# KiCad board fabiTEM_0-5.kicad_pcb
title: fabiTEM split keyboard; date: 2024-05-19; rev: 0.5; note: Made by GEIST & fabi
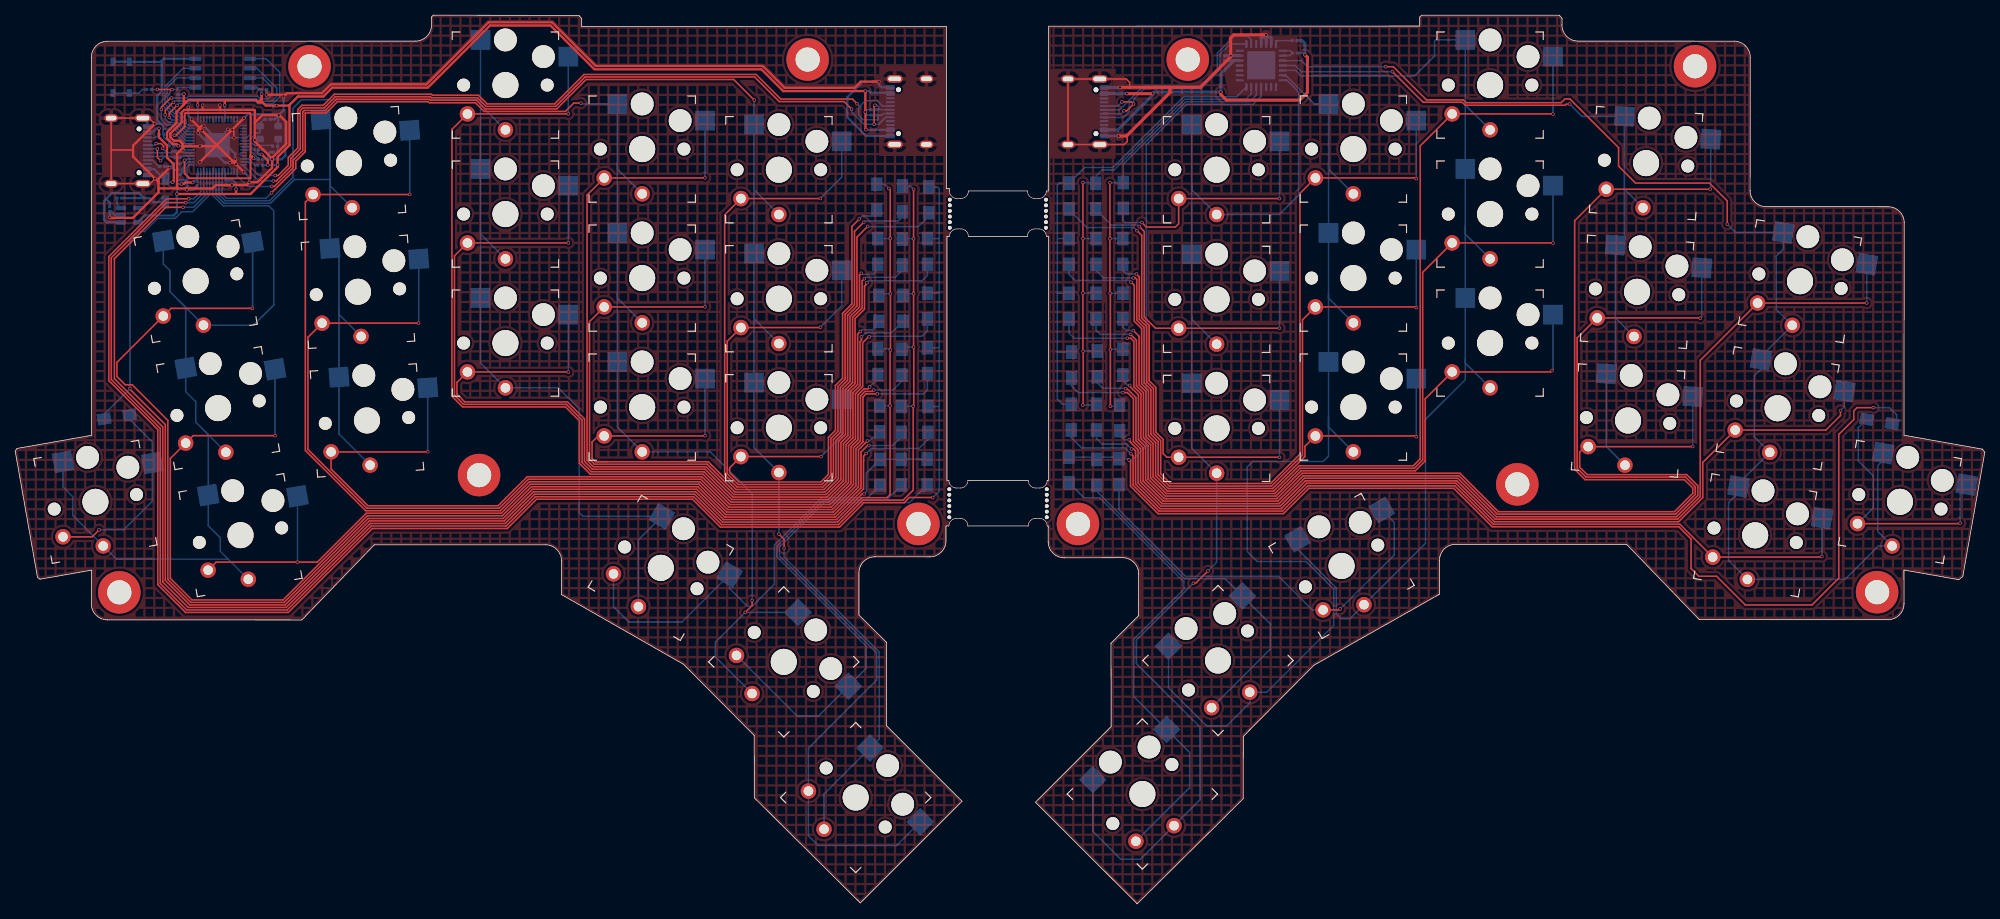
[diagram p0: board, top side]
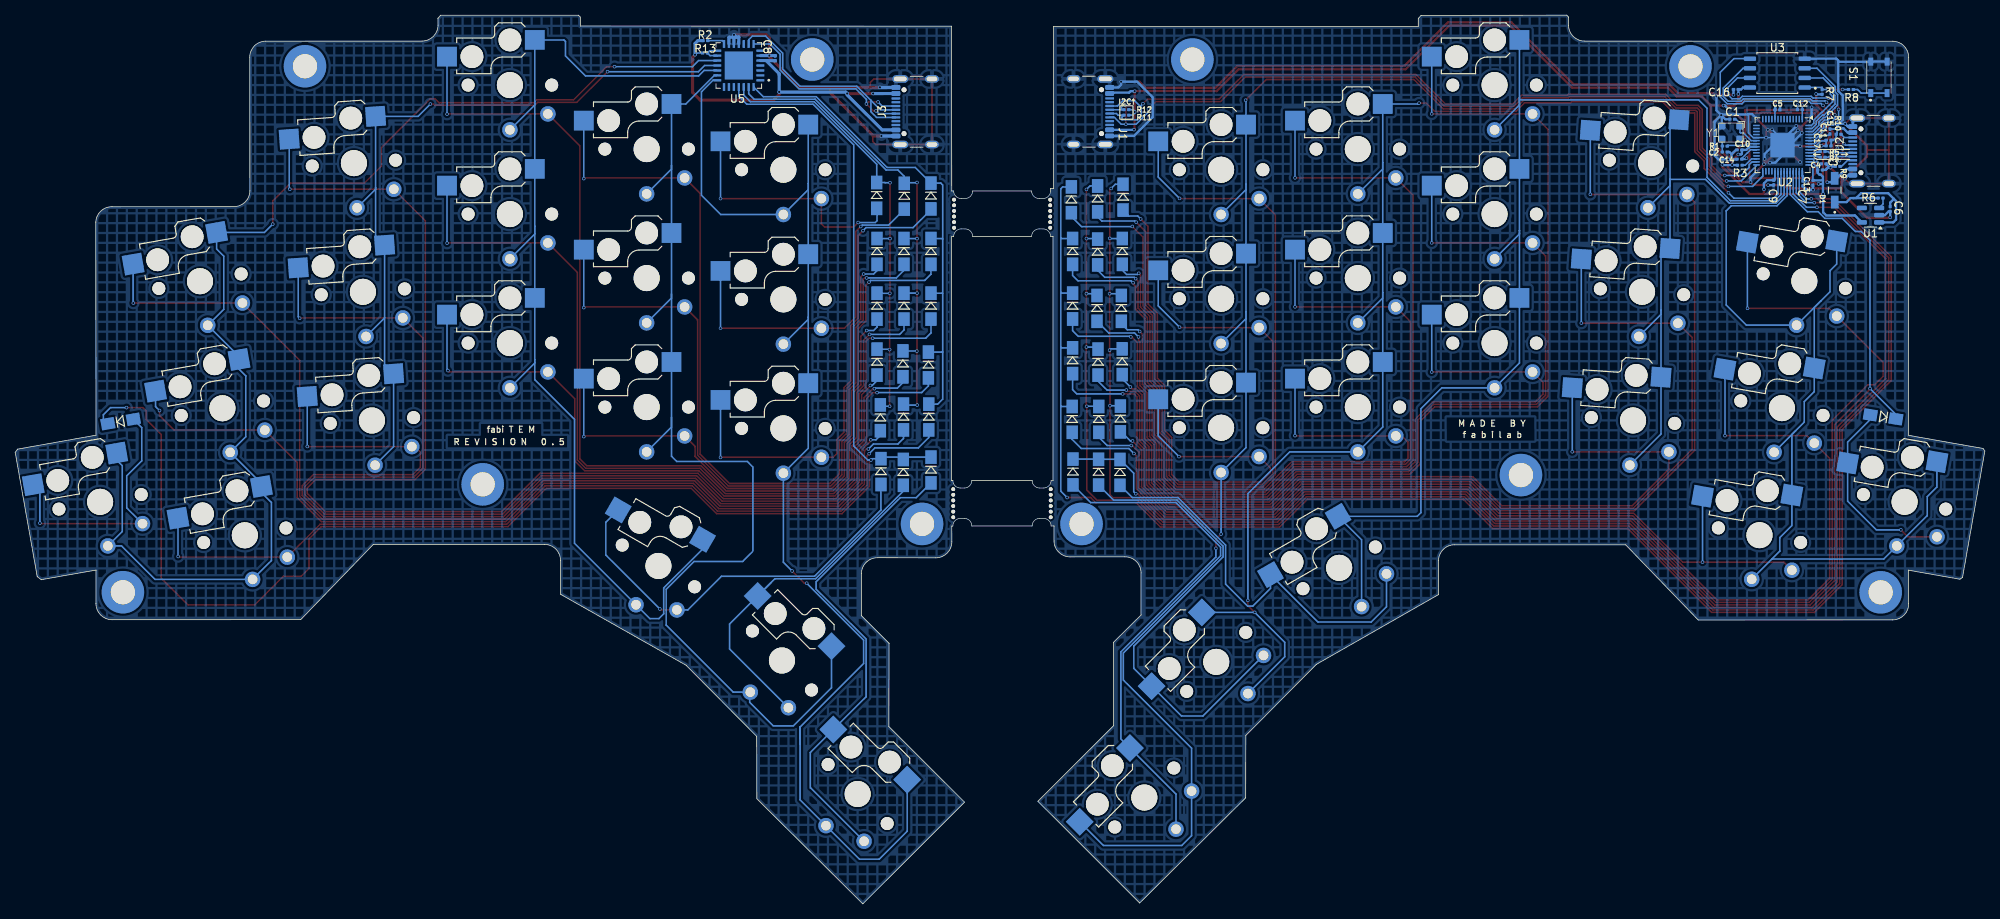
[diagram p1: board, bottom side, seen from below]

Outline 259.29 x 117.11 mm; copper layers: Top, Bottom. Coordinates in mm from the lower left corner of the outline.
Outline path: 122.98,87.95 122.66,87.95 122.66,55.8 122.92,55.8 ; 122.92,49.8 122.53,49.8 122.53,47.83 arc(121.92,46.34) 120.42,45.72 113.19,45.73 arc(111.69,45.12) 111.08,43.62 111.08,38.06 114.71,34.46 114.68,23.48 124.66,13.51 111.25,0.11 97.3,13.96 97.28,22.19 87.99,31.56 71.91,40.75 71.92,45.21 arc(71.3,46.7) 69.81,47.32 47.27,47.31 37.72,37.4 12.14,37.42 arc(10.65,38.04) 10.03,39.53 10.04,43.97 3.28,42.78 2.94,43.02 0,59.67 0.23,60.01 10.03,61.74 10.03,111.57 arc(10.64,113.06) 12.13,113.67 52.69,113.7 arc(54.18,114.31) 54.8,115.8 54.79,116.85 55.03,117.11 74.21,117.08 74.58,116.68 74.58,115.61 122.58,115.63 122.58,94.27 122.99,94.27 122.98,93.95 ; 125.48,87.95 133.24,87.95 ; 125.48,93.95 133.24,93.95 ; 133.35,49.8 125.42,49.8 ; 133.35,55.8 125.42,55.8 ; 135.74,87.95 136.02,87.92 136.02,55.79 135.85,55.8 ; 135.74,93.95 135.99,93.94 136.05,115.66 184.89,115.68 184.9,116.87 185.13,117.11 203.28,117.11 203.64,116.7 203.63,115.8 arc(204.24,114.31) 205.74,113.7 226.3,113.69 arc(227.79,113.07) 228.41,111.58 228.39,93.98 arc(229.01,92.49) 230.5,91.88 246.57,91.87 arc(248.06,91.25) 248.68,89.76 248.65,61.75 258.98,59.92 259.29,59.5 256.39,43.13 255.86,42.72 248.65,43.98 248.65,39.55 arc(248.03,38.06) 246.54,37.44 221.69,37.45 212.14,47.36 189.61,47.37 arc(188.12,46.75) 187.5,45.26 187.51,40.81 170.97,31.45 161.67,22.07 161.66,13.85 147.7,0 134.3,13.4 144.27,23.37 144.25,34.34 147.88,37.98 147.89,43.51 arc(147.27,45) 145.78,45.61 138.09,45.6 arc(136.6,46.22) 135.99,47.71 135.99,49.77 135.85,49.8
Stack: Top 0.035mm / dielectric 1.51mm FR4 er 4.5 / Bottom 0.035mm

## Placement (name value [footprint] x y rotation side)
C1  15 pF  [C_0201_0603Metric]  33.25 103.4 0 bottom
C2  15 pF  [C_0201_0603Metric]  34.24 99.08 180 bottom
C3  1 uF  [C_0201_0603Metric]  21.22 97.53 0 bottom
C4  1 uF  [C_0201_0603Metric]  21.69 96.72 0 bottom
C5  1 uF  [C_0201_0603Metric]  27.31 104.63 180 bottom
C6  1 uF  [C_0201_0603Metric]  12.46 91.57 270 bottom
C7  0.1 uF  [C_0201_0603Metric]  23.95 94.94 270 bottom
C8  0.1 uF  [C_0201_0603Metric]  159.23 111.44 90 bottom
C9  0.1 uF  [C_0201_0603Metric]  27.78 95.06 270 bottom
C10  0.1 uF  [C_0201_0603Metric]  32.3 99.36 0 bottom
C11  0.1 uF  [C_0201_0603Metric]  20.57 100.64 180 bottom
C12  0.1 uF  [C_0201_0603Metric]  24.35 104.66 0 bottom
C13  0.1 uF  [C_0201_0603Metric]  22.63 95.03 270 bottom
C14  0.1 uF  [C_0201_0603Metric]  32.3 98.14 0 bottom
C15  0.1 uF  [C_0201_0603Metric]  20.38 101.78 90 bottom
C16  0.1 uF  [C_0201_0603Metric]  32.77 107.33 0 bottom
C17  0.1 uF  [C_0201_0603Metric]  20.58 99.89 180 bottom
D1  MBR120VLSFT1G  [DIOM3616X98N]  19.76 94.05 90 bottom
DL1  1N4148W  [Diode_SOD123]  120.14 63.84 270 bottom
DL2  1N4148W  [Diode_SOD123]  120.08 71.57 270 bottom
DL3  1N4148W  [Diode_SOD123]  120.08 78.77 270 bottom
DL4  1N4148W  [Diode_SOD123]  120.08 85.97 270 bottom
DL5  1N4148W  [Diode_SOD123]  120.25 92.77 270 bottom
DL6  1N4148W  [Diode_SOD123]  116.64 63.84 270 bottom
DL7  1N4148W  [Diode_SOD123]  116.74 71.39 270 bottom
DL8  1N4148W  [Diode_SOD123]  116.87 78.47 270 bottom
DL9  1N4148W  [Diode_SOD123]  116.79 85.89 270 bottom
DL10  1N4148W  [Diode_SOD123]  116.79 92.9 270 bottom
DL11  1N4148W  [Diode_SOD123]  113.79 63.89 270 bottom
DL12  1N4148W  [Diode_SOD123]  113.57 71.44 270 bottom
DL13  1N4148W  [Diode_SOD123]  113.67 78.47 270 bottom
DL14  1N4148W  [Diode_SOD123]  113.54 85.97 270 bottom
DL15  1N4148W  [Diode_SOD123]  113.44 93.13 270 bottom
DL16  1N4148W  [Diode_SOD123]  13.39 64.17 9 bottom
DL17  1N4148W  [Diode_SOD123]  113.85 56.86 270 bottom
DL18  1N4148W  [Diode_SOD123]  116.67 56.88 270 bottom
DL19  1N4148W  [Diode_SOD123]  120.04 56.91 270 bottom
DR1  1N4148W  [Diode_SOD123]  145.39 64.05 270 bottom
DR2  1N4148W  [Diode_SOD123]  145.83 71.39 270 bottom
DR3  1N4148W  [Diode_SOD123]  145.83 78.77 270 bottom
DR4  1N4148W  [Diode_SOD123]  145.83 85.97 270 bottom
DR5  1N4148W  [Diode_SOD123]  145.88 93.36 270 bottom
DR6  1N4148W  [Diode_SOD123]  142.34 64.15 270 bottom
DR7  1N4148W  [Diode_SOD123]  142.42 71.16 270 bottom
DR8  1N4148W  [Diode_SOD123]  142.28 78.77 270 bottom
DR9  1N4148W  [Diode_SOD123]  142.28 85.97 270 bottom
DR10  1N4148W  [Diode_SOD123]  142.24 93.26 270 bottom
DR11  1N4148W  [Diode_SOD123]  139.02 64.15 270 bottom
DR12  1N4148W  [Diode_SOD123]  139.07 71.01 270 bottom
DR13  1N4148W  [Diode_SOD123]  138.73 78.77 270 bottom
DR14  1N4148W  [Diode_SOD123]  138.73 85.97 270 bottom
DR15  1N4148W  [Diode_SOD123]  138.74 93.28 270 bottom
DR16  1N4148W  [Diode_SOD123]  245.41 63.57 170 bottom
DR17  1N4148W  [Diode_SOD123]  145.32 56.96 270 bottom
DR18  1N4148W  [Diode_SOD123]  142.37 56.86 270 bottom
DR19  1N4148W  [Diode_SOD123]  138.73 57.17 270 bottom
J1  USB_C_Receptacle_USB2.0_14P  [USB_C_Receptacle_GCT_USB4105-xx-A_16P_TopMnt_Horizontal]  118.89 104.4 270 bottom
J2  USB_C_Receptacle_USB2.0_14P  [USB_C_Receptacle_GCT_USB4105-xx-A_16P_TopMnt_Horizontal]  13.71 99.24 90 bottom
J3  USB_C_Receptacle_USB2.0_14P  [USB_C_Receptacle_GCT_USB4105-xx-A_16P_TopMnt_Horizontal]  139.67 104.39 90 bottom
R1  1k  [R_0201_0603Metric]  34.23 99.86 0 bottom
R2  10k  [R_0201_0603Metric]  168.48 112.13 180 bottom
R3  10k  [R_0201_0603Metric]  32.26 97.34 180 bottom
R4  27  [R_0201_0603Metric]  21.37 99.14 0 bottom
R5  27  [R_0201_0603Metric]  21.36 98.39 180 bottom
R6  10k  [R_0201_0603Metric]  13.73 93.01 180 bottom
R7  10k  [R_0201_0603Metric]  21.42 106.99 90 bottom
R8  1k  [R_0201_0603Metric]  17.63 107.32 0 bottom
R9  5.1k  [R_0201_0603Metric]  19.38 97.19 0 bottom
R10  5.1k  [R_0201_0603Metric]  19.25 101.42 0 bottom
R11  1k  [R_0201_0603Metric]  113.01 103.94 0 bottom
R12  1k  [R_0201_0603Metric]  113 104.66 0 bottom
R13  1k  [R_0201_0603Metric]  168.44 113.76 0 bottom
REF**  mousebites 2mm  [mousebites_2.5mm]  135.85 52.8 0 top
REF**#2  -  [MountingHole_3.2mm_M3_DIN965_Pad]  118.91 50.07 0 top
REF**#3  -  [MountingHole_3.2mm_M3_DIN965_Pad]  197.74 55.28 0 top
REF**#4  -  [MountingHole_3.2mm_M3_DIN965_Pad]  13.71 41.05 0 top
REF**#5  -  [MountingHole_3.2mm_M3_DIN965_Pad]  245.11 41.07 0 top
REF**#6  -  [MountingHole_3.2mm_M3_DIN965_Pad]  221.14 110.38 0 top
REF**#7  -  [MountingHole_3.2mm_M3_DIN965_Pad]  61.06 56.5 0 top
REF**#8  -  [MountingHole_3.2mm_M3_DIN965_Pad]  38.75 110.37 0 top
REF**#9  mousebites 2mm  [mousebites_2.5mm]  122.92 52.8 180 top
REF**#10  mousebites 2mm  [mousebites_2.5mm]  135.74 90.95 0 top
REF**#11  -  [MountingHole_3.2mm_M3_DIN965_Pad]  139.91 50.07 0 top
REF**#12  -  [MountingHole_3.2mm_M3_DIN965_Pad]  104.32 111.27 0 top
REF**#13  mousebites 2mm  [mousebites_2.5mm]  122.98 90.95 180 top
REF**#14  -  [MountingHole_3.2mm_M3_DIN965_Pad]  154.36 111.27 0 top
S1  PTS810SJK250SMTRLFS  [PTS810SJG250SMTRLFS]  13.94 108.92 90 bottom
SWL1  CPG135001S30  [Kailh_socket_PG1350_reverse]  23.76 82.07 190 bottom
SWL2  CPG135001S30  [Kailh_socket_PG1350_reverse]  43.94 97.62 184 bottom
SWL3  CPG135001S30  [Kailh_socket_PG1350_reverse]  64.54 107.9 180 bottom
SWL4  CPG135001S30  [Kailh_socket_PG1350_reverse]  82.54 99.46 180 bottom
SWL5  CPG135001S30  [Kailh_socket_PG1350_reverse]  100.54 96.74 180 bottom
SWL6  CPG135001S30  [Kailh_socket_PG1350_reverse]  26.71 65.33 190 bottom
SWL7  CPG135001S30  [Kailh_socket_PG1350_reverse]  45.12 80.66 184 bottom
SWL8  CPG135001S30  [Kailh_socket_PG1350_reverse]  64.54 90.9 180 bottom
SWL9  CPG135001S30  [Kailh_socket_PG1350_reverse]  82.54 82.46 180 bottom
SWL10  CPG135001S30  [Kailh_socket_PG1350_reverse]  100.54 79.74 180 bottom
SWL11  CPG135001S30  [Kailh_socket_PG1350_reverse]  29.66 48.58 190 bottom
SWL12  CPG135001S30  [Kailh_socket_PG1350_reverse]  46.31 63.7 184 bottom
SWL13  CPG135001S30  [Kailh_socket_PG1350_reverse]  64.54 73.9 180 bottom
SWL14  CPG135001S30  [Kailh_socket_PG1350_reverse]  82.54 65.46 180 bottom
SWL15  CPG135001S30  [Kailh_socket_PG1350_reverse]  100.54 62.74 180 bottom
SWL16  CPG135001S30  [Kailh_socket_PG1350_reverse]  10.56 52.98 190 bottom
SWL17  CPG135001S30  [Kailh_socket_PG1350_reverse]  84.99 44.28 150 bottom
SWL18  CPG135001S30  [Kailh_socket_PG1350_reverse]  101.18 31.88 135 bottom
SWL19  CPG135001S30  [Kailh_socket_PG1350_reverse]  110.65 14.01 135 bottom
SWR1  CPG135001S30  [Kailh_socket_PG1350_reverse]  234.96 82.05 170 bottom
SWR2  CPG135001S30  [Kailh_socket_PG1350_reverse]  214.7 97.61 176 bottom
SWR3  CPG135001S30  [Kailh_socket_PG1350_reverse]  194.16 107.9 180 bottom
SWR4  CPG135001S30  [Kailh_socket_PG1350_reverse]  176.16 99.46 180 bottom
SWR5  CPG135001S30  [Kailh_socket_PG1350_reverse]  158.16 96.74 180 bottom
SWR6  CPG135001S30  [Kailh_socket_PG1350_reverse]  232.01 65.31 170 bottom
SWR7  CPG135001S30  [Kailh_socket_PG1350_reverse]  213.51 80.65 176 bottom
SWR8  CPG135001S30  [Kailh_socket_PG1350_reverse]  194.16 90.9 180 bottom
SWR9  CPG135001S30  [Kailh_socket_PG1350_reverse]  176.16 82.46 180 bottom
SWR10  CPG135001S30  [Kailh_socket_PG1350_reverse]  158.16 79.66 180 bottom
SWR11  CPG135001S30  [Kailh_socket_PG1350_reverse]  229.06 48.57 170 bottom
SWR12  CPG135001S30  [Kailh_socket_PG1350_reverse]  212.32 63.69 176 bottom
SWR13  CPG135001S30  [Kailh_socket_PG1350_reverse]  194.16 73.9 180 bottom
SWR14  CPG135001S30  [Kailh_socket_PG1350_reverse]  176.16 65.46 180 bottom
SWR15  CPG135001S30  [Kailh_socket_PG1350_reverse]  158.16 62.66 180 bottom
SWR16  CPG135001S30  [Kailh_socket_PG1350_reverse]  248.11 52.98 170 bottom
SWR17  CPG135001S30  [Kailh_socket_PG1350_reverse]  174.61 44.53 210 bottom
SWR18  CPG135001S30  [Kailh_socket_PG1350_reverse]  158.35 32.07 225 bottom
SWR19  CPG135001S30  [Kailh_socket_PG1350_reverse]  148.38 14.47 225 bottom
U1  AP2112K-3.3  [SOT-23-5]  15.05 90.76 0 bottom
U2  RP2040  [QFN-56-1EP_7x7mm_P0.4mm_EP3.2x3.2mm]  26.63 99.98 270 bottom
U3  W25Q16JVSSIQ  [SOIC127P790X216-8N]  27.32 109.48 0 bottom
U5  MCP23017-EML  [QFN65P600X600X100-29N]  164.03 110.48 0 bottom
Y1  ~  [ABM8-272-T3]  33.43 101.59 0 bottom

## Library data of the parts
C1-C17 = -: Description: Unpolarized capacitor, small symbol; ki_fp_filters: C_*
D1 = -: Description: Schottky diode; MF: ON Semiconductor; MAXIMUM_PACKAGE_HEIGHT: 0.98 mm; Package: SOD-123FL-2 ON Semiconductor; Price: None; Check_prices: https://www.snapeda.com/parts/MBR120VLSFT1G/Onsemi/view-part/?ref=eda; STANDARD: IPC-7351B; PARTREV: 5/10/2013; SnapEDA_Link: https://www.snapeda.com/parts/MBR120VLSFT1G/Onsemi/view-part/?ref=snap; Purchase-URL: https://www.snapeda.com/api/url_track_click_mouser/?unipart_id=225749&manufacturer=ON Semiconductor&part_name=MBR120VLSFT1G&search_term=mbr120vlsft1g; Description_1: Diode Schottky 20 V 1A Surface Mount SOD-123FL; Availability: In Stock; MANUFACTURER: ON SEMICONDUCTOR
DL1-DL19 DR1-DR19 = -: Description: 100V 0.15A Fast Switching Diode, SOD-123; Sim.Device: D; Sim.Pins: 1=K 2=A; ki_fp_filters: TO-???* *_Diode_* *SingleDiode* D_*
J1-J3 = -: Datasheet: https://www.usb.org/sites/default/files/documents/usb_type-c.zip; Description: USB 2.0-only 14P Type-C Receptacle connector; ki_fp_filters: USB*C*Receptacle*
R1-R13 = -: Description: Resistor; ki_fp_filters: R_*
S1 = -: Description: IP40 Black Button Tactile Switch, SPST-NO 50 mA 3mm Surface Mount; MANUFACTURER_NAME: C & K COMPONENTS; MF: C&K; RS_PRICE-STOCK: http://uk.rs-online.com/web/p/products/1359396P; RS_PART_NUMBER: 1359396P; Price: None; Package: None; Check_prices: https://www.snapeda.com/parts/PTS810%20SJK%20250%20SMTR%20LFS/C%2526K/view-part/?ref=eda; HEIGHT: mm; SnapEDA_Link: https://www.snapeda.com/parts/PTS810%20SJK%20250%20SMTR%20LFS/C%2526K/view-part/?ref=snap; MP: PTS810 SJK 250 SMTR LFS; Description_1: Tactile Switch SPST-NO Top Actuated Surface Mount; Availability: In Stock
SWL1-SWL19 SWR1-SWR19 = -: Description: Push button switch, normally open, two pins, 45° tilted
U1 = -: Datasheet: https://www.diodes.com/assets/Datasheets/AP2112.pdf; Description: 600mA low dropout linear regulator, with enable pin, 3.8V-6V input voltage range, 3.3V fixed positive output, SOT-23-5; ki_fp_filters: SOT?23?5*
U2 = -: Datasheet: https://datasheets.raspberrypi.com/rp2040/rp2040-datasheet.pdf; Description: A microcontroller by Raspberry Pi; ki_fp_filters: QFN*1EP*7x7mm?P0.4mm*
U3 = -: Description: 3v 16m-Bit Serial Flash Memory With Dual; MF: Winbond Electronics; PACKAGE: SOIC-8 Winbond; PRICE: None; Package: SOIC-8 Winbond; Check_prices: https://www.snapeda.com/parts/W25Q16JVSSIQ/Winbond+Electronics/view-part/?ref=eda; Price: None; SnapEDA_Link: https://www.snapeda.com/parts/W25Q16JVSSIQ/Winbond+Electronics/view-part/?ref=snap; Availability: In Stock; AVAILABILITY: Unavailable; Description_1: FLASH - NOR Memory IC 16Mb (2M x 8) SPI - Quad I/O 133 MHz 8-SOIC
U5 = -: MF: Microchip; MAXIMUM_PACKAGE_HEIGHT: 1.00 mm; Package: QFN-28 Microchip; Price: None; Check_prices: https://www.snapeda.com/parts/MCP23017-E/ML/Microchip/view-part/?ref=eda; STANDARD: IPC-7351B; PARTREV: C; SnapEDA_Link: https://www.snapeda.com/parts/MCP23017-E/ML/Microchip/view-part/?ref=snap; MP: MCP23017-E/ML; Purchase-URL: https://www.snapeda.com/api/url_track_click_mouser/?unipart_id=48847&manufacturer=Microchip&part_name=MCP23017-E/ML&search_term=mcp23017; Description_1: Microchip MCP23017-E/ML I/O Expander, 28-Pin QFN | Microchip Technology Inc. MCP23017-E/ML; Availability: In Stock; MANUFACTURER: Microchip Technology Inc.
Y1 = -: Datasheet: https://wmsc.lcsc.com/wmsc/upload/file/pdf/v2/lcsc/2402271053_Abracon-LLC-ABM8-272-T3_C20625731.pdf; Description: ABM8-272-T3

## Footprints (pads in the part's own frame, mm; a bottom-side part is the same pattern mirrored in y, then rotated)
ABM8-272-T3
  rrect 1x0.9 smd: 1(-1.2,-0.9) 2(1.2,-0.9) 3(1.2,0.8) 4(-1.2,0.8)
C_0201_0603Metric
  rrect 0.318x0.36 smd: (-0.345,0) (0.345,0)
  rrect 0.46x0.4 smd: 1(-0.32,0) 2(0.32,0)
Diode_SOD123
  rect 1.8x1.5 smd: 1(-1.7,0) 2(1.7,0)
DIOM3616X98N
  rect 1.68x1.01 smd: 1(-1.57,0) 2(1.57,0)
Kailh_socket_PG1350_reverse
  round 1.702 hole 1.702 unplated: (-5.5,0) (5.5,0)
  round 3 hole 3 unplated: (-5,3.75) (0,5.95)
  round 3.429 hole 3.429 unplated: (0,0)
  round 2.032 hole 1.27: 1(0,-5.9) 2(5,-3.8)
  rect 2.6x2.6 smd: 1(3.275,5.95) 2(-8.275,3.75)
MountingHole_3.2mm_M3_DIN965_Pad
  round 5.6 hole 3.2: 1(0,0)
mousebites_2.5mm
  round 0.5 hole 0.5 unplated: (-0.05,1.85) (-0.05,1.11) (-0.05,0.37) (-0.05,-0.37) (-0.05,-1.11) (-0.05,-1.85)
PTS810SJG250SMTRLFS
  rect 1.05x0.65 smd: 1(-2.075,1.075) 2(2.075,1.075) 3(-2.075,-1.075) 4(2.075,-1.075)
QFN65P600X600X100-29N
  rrect 1.04x0.31 smd: 1(-2.835,1.95) 2(-2.835,1.3) 3(-2.835,0.65) 4(-2.835,0) 5(-2.835,-0.65) 6(-2.835,-1.3) 7(-2.835,-1.95) 15(2.835,-1.95) 16(2.835,-1.3) 17(2.835,-0.65) 18(2.835,0) 19(2.835,0.65) 20(2.835,1.3) 21(2.835,1.95)
  rrect 0.31x1.04 smd: 8(-1.95,-2.835) 9(-1.3,-2.835) 10(-0.65,-2.835) 11(0,-2.835) 12(0.65,-2.835) 13(1.3,-2.835) 14(1.95,-2.835) 22(1.95,2.835) 23(1.3,2.835) 24(0.65,2.835) 25(0,2.835) 26(-0.65,2.835) 27(-1.3,2.835) 28(-1.95,2.835)
  rect 3.7x3.7 smd: 29(0,0)
QFN-56-1EP_7x7mm_P0.4mm_EP3.2x3.2mm
  rrect 1.29x1.29 smd: (-0.8,-0.8) (-0.8,0.8) (0.8,-0.8) (0.8,0.8)
  rrect 0.875x0.2 smd: 1(-3.438,2.6) 2(-3.438,2.2) 3(-3.438,1.8) 4(-3.438,1.4) 5(-3.438,1) 6(-3.438,0.6) 7(-3.438,0.2) 8(-3.438,-0.2) 9(-3.438,-0.6) 10(-3.438,-1) 11(-3.438,-1.4) 12(-3.438,-1.8) 13(-3.438,-2.2) 14(-3.438,-2.6) 29(3.438,-2.6) 30(3.438,-2.2) 31(3.438,-1.8) 32(3.438,-1.4) 33(3.438,-1) 34(3.438,-0.6) 35(3.438,-0.2) 36(3.438,0.2) 37(3.438,0.6) 38(3.438,1) 39(3.438,1.4) 40(3.438,1.8) 41(3.438,2.2) 42(3.438,2.6)
  rrect 0.2x0.875 smd: 15(-2.6,-3.438) 16(-2.2,-3.438) 17(-1.8,-3.438) 18(-1.4,-3.438) 19(-1,-3.438) 20(-0.6,-3.438) 21(-0.2,-3.438) 22(0.2,-3.438) 23(0.6,-3.438) 24(1,-3.438) 25(1.4,-3.438) 26(1.8,-3.438) 27(2.2,-3.438) 28(2.6,-3.438) 43(2.6,3.438) 44(2.2,3.438) 45(1.8,3.438) 46(1.4,3.438) 47(1,3.438) 48(0.6,3.438) 49(0.2,3.438) 50(-0.2,3.438) 51(-0.6,3.438) 52(-1,3.438) 53(-1.4,3.438) 54(-1.8,3.438) 55(-2.2,3.438) 56(-2.6,3.438)
  rect 3.2x3.2 smd: 57(0,0)
R_0201_0603Metric
  rrect 0.318x0.36 smd: (-0.345,0) (0.345,0)
  rrect 0.46x0.4 smd: 1(-0.32,0) 2(0.32,0)
SOIC127P790X216-8N
  rrect 1.61x0.58 smd: 1(-3.605,1.905) 2(-3.605,0.635) 3(-3.605,-0.635) 4(-3.605,-1.905) 5(3.605,-1.905) 6(3.605,-0.635) 7(3.605,0.635) 8(3.605,1.905)
SOT-23-5
  rrect 1.325x0.6 smd: 1(-1.137,0.95) 2(-1.137,0) 3(-1.137,-0.95) 4(1.137,-0.95) 5(1.137,0.95)
USB_C_Receptacle_GCT_USB4105-xx-A_16P_TopMnt_Horizontal
  round 0.65 hole 0.65 unplated: (-2.89,2.605) (2.89,2.605)
  rrect 0.6x1.15 smd: A1(-3.2,3.68) A4(-2.4,3.68) A9(2.4,3.68) A12(3.2,3.68) B1(3.2,3.68) B4(2.4,3.68) B9(-2.4,3.68) B12(-3.2,3.68)
  rrect 0.3x1.15 smd: A5(-1.25,3.68) A6(-0.25,3.68) A7(0.25,3.68) A8(1.25,3.68) B5(1.75,3.68) B6(0.75,3.68) B7(-0.75,3.68) B8(-1.75,3.68)
  oval 1x1.8 hole 0.6x1.4: S1(-4.32,-1.075) S1(4.32,-1.075)
  oval 1x2.1 hole 0.6x1.7: S1(-4.32,3.105) S1(4.32,3.105)

## Nets
/+1.1V: C3.2 C14.1 C15.1 U2.23 U2.45 U2.50
/+3.3V: C4.2 C5.1 C7.1 C9.1 C10.1 C11.1 C12.1 C13.1 C16.1 C17.1 J1.A4 J1.A9 J1.B4 J1.B9 R3.1 R7.1 R11.1 R12.1 U1.5 U2.1 U2.10 U2.22 U2.33 U2.42 U2.43 U2.44 U2.48 U2.49 U3.8
GND: C1.2 C2.2 C3.1 C4.1 C5.2 C6.2 C7.2 C9.2 C10.2 C11.2 C12.2 C13.2 C14.2 C15.2 C16.2 C17.2 J1.A1 J1.A12 J1.B1 J1.B12 J1.S1 J2.A1 J2.A12 J2.B1 J2.B12 J2.S1 R9.2 R10.2 S1.2 S1.4 U1.2 U2.19 U2.57 U3.4 Y1.2 Y1.4
GNDR: C8.2 J3.A1 J3.A12 J3.B1 J3.B12 J3.S1 U5.6 U5.11 U5.12 U5.13
VCCR: C8.1 J3.A4 J3.A9 J3.B4 J3.B9 R2.1 R13.2 U5.5
/QSPI_CS: R7.2 R8.2 U2.56 U3.1
/QSPI_SCK: U2.52 U3.6
/QSPI_SD0: U2.53 U3.5
/QSPI_SD1: U2.55 U3.2
/QSPI_SD2: U2.54 U3.3
/QSPI_SD3: U2.51 U3.7
/USB_BOOT: R8.1 S1.1 S1.3
/XIN: C1.1 U2.20 Y1.1
/XOUT: R1.1 U2.21
COL0_L: SWL1.1 SWL6.1 SWL11.1 SWL16.1 U2.37
COL0_R: SWR1.1 SWR6.1 SWR11.1 SWR16.1 U5.17
COL1_L: SWL2.1 SWL7.1 SWL12.1 U2.36
COL1_R: SWR2.1 SWR7.1 SWR12.1 U5.18
COL2_L: SWL3.1 SWL8.1 SWL13.1 SWL17.1 U2.35
COL2_R: SWR3.1 SWR8.1 SWR13.1 SWR17.1 U5.19
COL3_L: SWL4.1 SWL9.1 SWL14.1 SWL18.1 U2.34
COL3_R: SWR4.1 SWR9.1 SWR14.1 SWR18.1 U5.20
COL4_L: SWL5.1 SWL10.1 SWL15.1 SWL19.1 U2.29
COL4_R: SWR5.1 SWR10.1 SWR15.1 SWR19.1 U5.21
D+: J2.A6 J2.B6 R4.1
D-: J2.A7 J2.B7 R5.2
ROW0_L: DL1.1 DL2.1 DL3.1 DL4.1 DL5.1 U2.41
ROW0_R: DR1.1 DR2.1 DR3.1 DR4.1 DR5.1 U5.26
ROW1_L: DL6.1 DL7.1 DL8.1 DL9.1 DL10.1 U2.40
ROW1_R: DR6.1 DR7.1 DR8.1 DR9.1 DR10.1 U5.27
ROW2_L: DL11.1 DL12.1 DL13.1 DL14.1 DL15.1 U2.39
ROW2_R: DR11.1 DR12.1 DR13.1 DR14.1 DR15.1 U5.28
ROW3_L: DL16.1 DL17.1 DL18.1 DL19.1 U2.38
ROW3_R: DR16.1 DR17.1 DR18.1 DR19.1 U5.25
SCLL: J1.A6 J1.B6 R12.2 U2.28
SCLR: J3.A6 J3.B6 U5.8
SDAL: J1.A7 J1.B7 R11.2 U2.27
SDAR: J3.A7 J3.B7 U5.9
Net-(C2-Pad1): C2.1 R1.2 Y1.3
Net-(D1-Pad2): D1.2 J2.A4 J2.A9 J2.B4 J2.B9
Net-(DL1-A): DL1.2 SWL1.2
Net-(DL2-A): DL2.2 SWL2.2
Net-(DL3-A): DL3.2 SWL3.2
Net-(DL4-A): DL4.2 SWL4.2
Net-(DL5-A): DL5.2 SWL5.2
Net-(DL6-A): DL6.2 SWL6.2
Net-(DL7-A): DL7.2 SWL7.2
Net-(DL8-A): DL8.2 SWL8.2
Net-(DL9-A): DL9.2 SWL9.2
Net-(DL10-A): DL10.2 SWL10.2
Net-(DL11-A): DL11.2 SWL11.2
Net-(DL12-A): DL12.2 SWL12.2
Net-(DL13-A): DL13.2 SWL13.2
Net-(DL14-A): DL14.2 SWL14.2
Net-(DL15-A): DL15.2 SWL15.2
Net-(DL16-A): DL16.2 SWL16.2
Net-(DL17-A): DL17.2 SWL17.2
Net-(DL18-A): DL18.2 SWL18.2
Net-(DL19-A): DL19.2 SWL19.2
Net-(DR1-A): DR1.2 SWR1.2
Net-(DR2-A): DR2.2 SWR2.2
Net-(DR3-A): DR3.2 SWR3.2
Net-(DR4-A): DR4.2 SWR4.2
Net-(DR5-A): DR5.2 SWR5.2
Net-(DR6-A): DR6.2 SWR6.2
Net-(DR7-A): DR7.2 SWR7.2
Net-(DR8-A): DR8.2 SWR8.2
Net-(DR9-A): DR9.2 SWR9.2
Net-(DR10-A): DR10.2 SWR10.2
Net-(DR11-A): DR11.2 SWR11.2
Net-(DR12-A): DR12.2 SWR12.2
Net-(DR13-A): DR13.2 SWR13.2
Net-(DR14-A): DR14.2 SWR14.2
Net-(DR15-A): DR15.2 SWR15.2
Net-(DR16-A): DR16.2 SWR16.2
Net-(DR17-A): DR17.2 SWR17.2
Net-(DR18-A): DR18.2 SWR18.2
Net-(DR19-A): DR19.2 SWR19.2
Net-(J2-CC1): J2.A5 R9.1
Net-(J2-CC2): J2.B5 R10.1
Net-(U1-EN): R6.2 U1.3
Net-(U1-VIN): C6.1 D1.1 R6.1 U1.1
Net-(U2-RUN): R3.2 U2.26
Net-(U2-USB_D+): R4.2 U2.47
Net-(U2-USB_D-): R5.1 U2.46
Net-(U5-INTA): R2.2 U5.15 U5.16
Net-(U5-~{RESET}): R13.1 U5.14

Pads without a net: J1 A5 A8 B5 B8; J2 A8 B8; J3 A5 A8 B5 B8; REF**#2 1; REF**#3 1; REF**#4 1; REF**#5 1; REF**#6 1; REF**#7 1; REF**#8 1; REF**#11 1; REF**#12 1; REF**#14 1; U1 4; U2 2 3 4 5 6 7 8 9 11 12 13 14 15 16 17 18 24 25 30 31 32; U5 1 2 3 4 7 10 22 23 24 29

## Via types
v1: diameter 0.45, hole 0.3, Top to Bottom, 185 vias
